# Altium PCB OnePiece_Board.PcbDoc (part 2 of 2)
Units mm, origin at the board's own origin, x right, y up, seen from the top; angles counter-clockwise.
Board outline 95.12 x 76.58 mm, 2 copper layers (Top Layer, Bottom Layer); 79 components, 112 nets, 380 pads, 690 vias.
Unrouted connection lines stored in the file: 1.
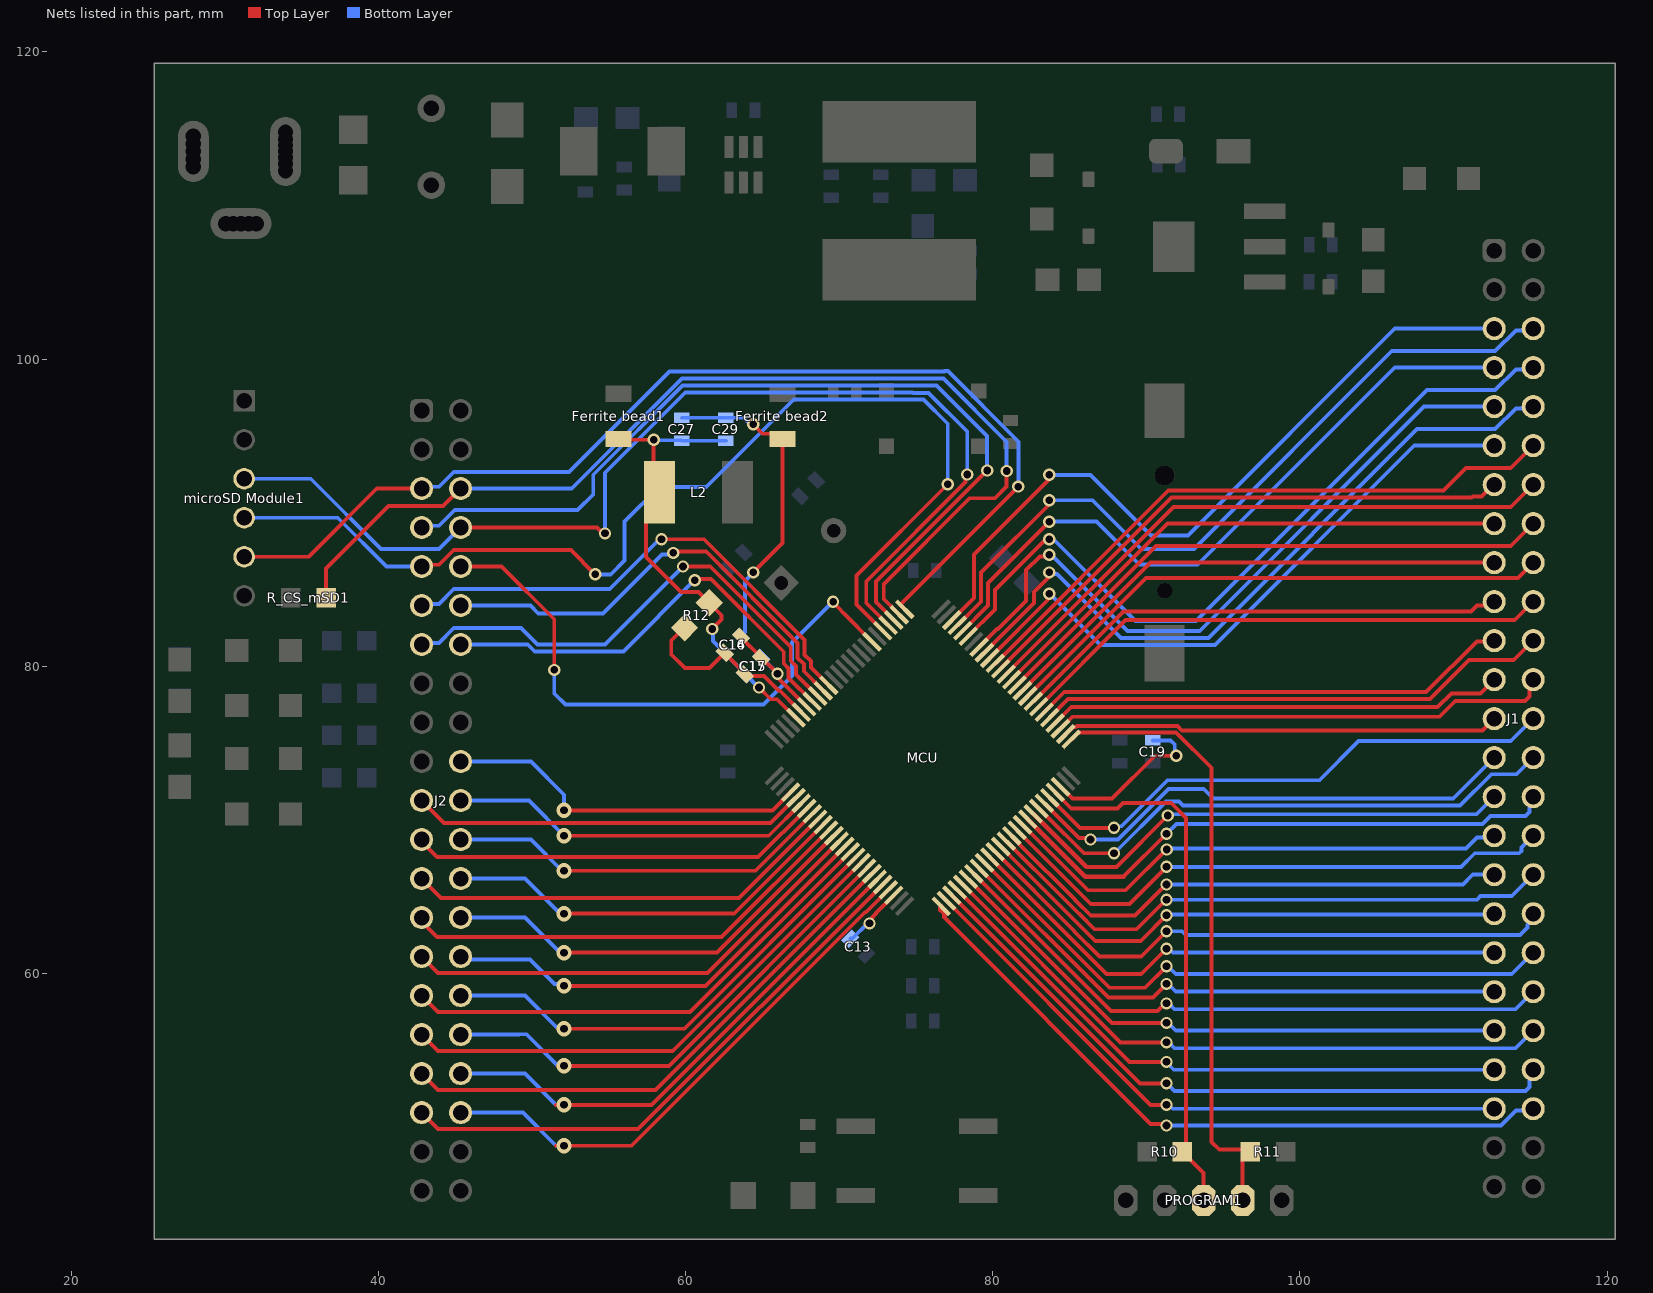
[diagram p2: the nets of this part, all layers, seen from the top]

## Via types
v1: diameter 0.5, hole 0.5, Top Layer to Bottom Layer, 582 vias
v2: diameter 0.8, hole 0.5, Top Layer to Bottom Layer, 76 vias
v3: diameter 1, hole 0.5, Top Layer to Bottom Layer, 19 vias
v4: diameter 1.27, hole 0.711, Top Layer to Bottom Layer, 12 vias
v5: diameter 1.7, hole 1.2, Top Layer to Bottom Layer, 1 vias

## Nets (pads, with @x,y where several pads share a name; then routed paths per layer and width w, separated by ;. In a path a pad name is that pad's centre, name@x,y a point inside that pad or via, vN(x,y) a via of type N, cw(c..) or ccw(c..) an arc to the next point about the centre after c; other vN are vias at no path point) (continued)
PA5: J2.20 MCU.29 | length 23.9
  Top Layer w0.254: v3(52.07,70.612) 65.645,70.612 MCU.29@66.825,71.792
  Bottom Layer w0.254: J2.20@45.339,73.787 49.911,73.787 52.07,71.628 v3(52.07,70.612)
PA6: J2.21 MCU.30 | length 25.7
  Top Layer w0.254: J2.21@42.799,71.247 44.261,69.785 65.525,69.785 MCU.30@67.179,71.439
PA7: J2.22 MCU.31 | length 24
  Top Layer w0.254: v3(52.07,68.958) 65.405,68.958 MCU.31@67.533,71.085
  Bottom Layer w0.254: J2.22@45.339,71.247 49.781,71.247 v3(52.07,68.958)
PA8: J1.30 MCU.67 | length 37.1
  Top Layer w0.254: 88.519,66.294 v2(91.313,69.088)
  Top Layer w0.3: MCU.67@82.283,70.025 86.013,66.294 88.519,66.294
  Bottom Layer w0.254: v2(91.313,69.088) 91.948,69.723 111.888,69.723 112.396,70.231 114.681,70.231 114.951,70.501 114.951,71.263 J1.30@115.189,71.501
PA9: J1.29 MCU.68 | length 33.3
  Top Layer w0.254: 86.086,66.929 88.042,66.929 v2(91.392,70.279)
  Top Layer w0.3: MCU.68@82.636,70.378 86.086,66.929
  Bottom Layer w0.254: v2(91.392,70.279) 91.471,70.358 111.506,70.358 J1.29@112.649,71.501
PA10: J1.28 MCU.69 | length 36.2
  Top Layer w0.254: MCU.69@82.99,70.732 83.008,70.732 83.528,70.212 83.538,70.212 85.932,67.818 v2(87.884,67.818)
  Bottom Layer w0.254: v2(87.884,67.818) 87.903,67.818 91.271,71.186 92.129,71.186 92.395,70.92 110.417,70.92 112.461,72.964 114.112,72.964 J1.28@115.189,74.041
PA11: J1.27 MCU.70 | length 33
  Top Layer w0.254: MCU.70@83.343,71.085 85.617,68.811 86.256,68.811 v2(86.36,68.707)
  Bottom Layer w0.254: v2(86.36,68.707) 88.15,68.707 91.446,72.003 93.732,72.003 94.361,71.374 109.982,71.374 J1.27@112.649,74.041
PA12: J1.26 MCU.71 | length 35.3
  Top Layer w0.254: MCU.71@83.697,71.439 85.667,69.469 v2(87.884,69.469)
  Bottom Layer w0.254: v2(87.884,69.469) 87.988,69.573 88.375,69.573 91.372,72.571 101.276,72.571 103.823,75.118 113.726,75.118 J1.26@115.189,76.581
PA15: J1.25 MCU.77 | length 28.5
  Top Layer w0.254: MCU.77@84.758,75.582 85.21,76.035 85.398,76.035 85.466,76.102 92.017,76.102 92.301,75.819 111.887,75.819 J1.25@112.649,76.581
PB0: J2.25 MCU.34 | length 28.4
  Top Layer w0.254: J2.25@42.799,66.167 44.069,64.897 63.466,64.897 MCU.34@68.593,70.025
PB1: J2.26 MCU.35 | length 27
  Top Layer w0.254: v3@51.816,63.881 63.157,63.881 MCU.35@68.947,69.671
  Bottom Layer w0.254: J2.26@45.339,66.167 49.53,66.167 v3@51.816,63.881
  other v3: 52.07,63.881
PB2: J2.27 MCU.36 | length 30.1
  Top Layer w0.254: J2.27@42.799,63.627 42.799,63.373 43.815,62.357 62.34,62.357 MCU.36@69.3,69.318
PB3: J1.13 MCU.89 | length 37.1
  Top Layer w0.254: MCU.89@80.522,79.879 91.627,90.983 111.176,90.983 111.252,91.059 111.812,91.059 112.574,91.821 J1.13@112.649,91.821
PB4: J1.12 MCU.90 | length 40.9
  Top Layer w0.254: MCU.90@80.161,80.179 91.42,91.437 109.344,91.437 110.805,92.898 113.726,92.898 J1.12@115.189,94.361
PB5: J1.11 MCU.91 | length 41.5
  Top Layer w0.254: MCU.91@79.808,80.532 83.574,84.298 83.574,84.619 v2(83.678,84.724)
  Bottom Layer w0.254: v2(83.678,84.724) 87.014,81.388 94.469,81.388 107.442,94.361 J1.11@112.649,94.361
PB6: J1.10 MCU.92 | length 46.5
  Top Layer w0.254: MCU.92@79.454,80.886 82.677,84.108 82.677,84.836 83.589,85.748 83.589,86.002 v2@83.693,86.106
  Bottom Layer w0.254: v2@83.693,86.106 83.797,86.002 84.178,86.002 88.338,81.842 94.034,81.842 107.63,95.438 112.709,95.438 114.058,96.787 115.075,96.787 J1.10@115.189,96.901
  other v2: 83.678,86.106
PB7: J1.9 MCU.93 | length 45.3
  Top Layer w0.254: MCU.93@79.101,81.239 80.283,82.421 80.348,82.421 82.169,84.242 82.169,86.254 83.06,87.145 83.716,87.145 v2@83.82,87.249
  Bottom Layer w0.254: v2@83.82,87.249 88.773,82.296 93.472,82.296 108.077,96.901 J1.9@112.649,96.901
  other v2: 83.678,87.249
PB8: J1.8 MCU.95 | length 49.2
  Top Layer w0.254: MCU.95@78.394,81.946 80.137,83.69 80.137,84.963 83.395,88.221 83.903,88.221 v2@83.947,88.265
  Bottom Layer w0.254: v2@83.947,88.265 89.281,82.931 93.218,82.931 108.265,97.978 112.709,97.978 114.058,99.327 115.075,99.327 J1.8@115.189,99.441
  other v2: 83.678,88.265
PB9: J1.7 MCU.96 | length 44.6
  Top Layer w0.254: MCU.96@78.04,82.3 79.683,83.943 79.683,85.413 v2(83.678,89.408)
  Bottom Layer w0.254: v2@83.947,89.408 86.741,89.408 89.535,86.614 93.345,86.614 106.172,99.441 J1.7@112.649,99.441
PB10: J2.37 MCU.46 | length 37.1
  Top Layer w0.254: J2.37@42.799,50.927 43.876,49.85 56.904,49.85 MCU.46@72.836,65.782
PB11: J2.38 MCU.47 | length 35.6
  Top Layer w0.254: 51.562,48.768 56.464,48.768 71.671,63.975 71.736,63.975 MCU.47@73.189,65.428
  Bottom Layer w0.254: J2.38@45.339,50.927 49.403,50.927 51.562,48.768
  other v3: 52.07,48.768
PB12: J1.46 MCU.51 | length 45.4
  Top Layer w0.254: 76.592,64.124 76.927,63.789 ; 76.832,63.848 76.809,63.825 76.809,63.653 90.265,50.197 91.188,50.197 v2@91.292,50.092
  Top Layer w0.3: 76.592,64.124 76.581,64.135 76.581,64.304 76.628,64.351 76.628,64.365 MCU.51@76.626,64.368
  Bottom Layer w0.254: v2@91.292,50.092 113.084,50.092 114.058,51.067 115.075,51.067 J1.46@115.189,51.181
  other v2: 91.313,50.092
PB13: J1.45 MCU.52 | length 41.3
  Top Layer w0.254: MCU.52@76.979,64.721 90.266,51.435 v2(91.313,51.435)
  Bottom Layer w0.254: v2(91.313,51.435) 91.461,51.435 91.715,51.181 J1.45@112.649,51.181
PB14: J1.44 MCU.53 | length 44.2
  Top Layer w0.254: MCU.53@77.333,65.075 89.576,52.832 v2(91.313,52.832)
  Bottom Layer w0.254: v2(91.313,52.832) 91.821,52.324 114.681,52.324 114.951,52.594 114.951,53.483 J1.44@115.189,53.721
PB15: J1.43 MCU.54 | length 39.8
  Top Layer w0.254: MCU.54@77.687,65.428 88.886,54.229 v2@91.186,54.229
  Bottom Layer w0.254: v2@91.186,54.229 91.274,54.229 91.782,53.721 J1.43@112.649,53.721
  other v2: 91.313,54.229
PC0: J2.11 MCU.15 | length 33
  Top Layer w0.254: v2(58.42,88.265) 61.183,88.265 67.744,81.703 67.744,80.725 68.145,80.324 68.145,79.92 MCU.15@69.3,78.764
  Bottom Layer w0.254: J2.11@42.799,83.947 42.913,84.061 43.93,84.061 44.893,85.024 55.052,85.024 58.293,88.265 v2(58.42,88.265)
PC1: J2.12 MCU.16 | length 30.1
  Top Layer w0.254: v2(59.182,87.376) 59.274,87.468 61.338,87.468 67.29,81.515 67.29,80.537 67.691,80.136 67.691,79.667 MCU.16@68.947,78.411
  Bottom Layer w0.254: J2.12@45.339,83.947 49.889,83.947 50.397,83.439 54.61,83.439 58.443,87.272 59.078,87.272 v2(59.182,87.376)
PC2: J2.13 MCU.17 | length 33.1
  Top Layer w0.254: v2(59.817,86.487) 61.595,86.487 66.836,81.246 66.836,80.349 67.183,80.002 67.183,79.468 MCU.17@68.593,78.057
  Bottom Layer w0.254: J2.13@42.799,81.407 42.913,81.521 43.93,81.521 44.893,82.484 49.276,82.484 50.353,81.407 54.737,81.407 v2(59.817,86.487)
PC3: J2.14 MCU.18 | length 29.2
  Top Layer w0.254: v2(60.579,85.598) 60.662,85.681 61.639,85.681 61.975,85.345 66.382,80.938 66.382,80.161 66.703,79.84 66.703,79.24 MCU.18@68.24,77.704
  Bottom Layer w0.254: J2.14@45.339,81.407 49.711,81.407 50.165,80.953 55.934,80.953 v2(60.579,85.598)
PC4: J2.23 MCU.32 | length 26.9
  Top Layer w0.254: J2.23@42.799,68.707 42.799,68.58 43.815,67.564 64.718,67.564 MCU.32@67.886,70.732
PC5: J2.24 MCU.33 | length 25.3
  Top Layer w0.254: v3@51.943,66.675 64.536,66.675 MCU.33@68.24,70.378
  Bottom Layer w0.254: J2.24@45.339,68.707 49.911,68.707 v3@51.943,66.675
  other v3: 52.07,66.675
PC6: J1.34 MCU.63 | length 38.2
  Top Layer w0.254: MCU.63@80.869,68.61 84.693,64.786 85.625,63.854 85.632,63.854 86.621,62.865 89.364,62.865 91.285,64.786 v2(91.313,64.786)
  Bottom Layer w0.254: v2(91.313,64.786) 111.522,64.786 111.76,65.024 113.792,65.024 J1.34@115.189,66.421
PC7: J1.33 MCU.64 | length 34.7
  Top Layer w0.254: MCU.64@81.222,68.964 81.222,68.946 81.742,68.426 81.742,68.398 85.343,64.796 85.343,64.785 86.374,63.754 89.253,63.754 91.285,65.786 v2(91.313,65.786)
  Bottom Layer w0.254: v2(91.313,65.786) 110.617,65.786 111.252,66.421 J1.33@112.649,66.421
PC8: J1.32 MCU.65 | length 37.6
  Top Layer w0.254: MCU.65@81.576,69.318 86.377,64.516 88.9,64.516 v2(91.313,66.929)
  Bottom Layer w0.254: v2(91.313,66.929) 110.49,66.929 111.379,67.818 114.278,67.818 114.427,67.967 114.427,68.199 J1.32@115.189,68.961
PC9: J1.31 MCU.66 | length 34
  Top Layer w0.254: MCU.66@81.929,69.671 86.179,65.421 86.179,65.405 88.646,65.405 91.307,68.066 v2(91.319,68.066)
  Bottom Layer w0.254: v2(91.319,68.066) 91.389,68.135 110.807,68.135 111.518,68.846 112.534,68.846 J1.31@112.649,68.961
PC10: J1.24 MCU.78 | length 32.6
  Top Layer w0.254: MCU.78@84.404,75.936 85.176,76.708 109.093,76.708 110.109,77.724 114.659,77.724 114.951,78.015 114.951,78.883 J1.24@115.189,79.121
PC11: J1.23 MCU.79 | length 29.8
  Top Layer w0.254: MCU.79@84.051,76.29 85.104,77.343 108.966,77.343 109.855,78.232 111.76,78.232 J1.23@112.649,79.121
PC12: J1.22 MCU.80 | length 33.6
  Top Layer w0.254: MCU.80@83.697,76.643 84.905,77.851 108.458,77.851 110.998,80.391 113.919,80.391 J1.22@115.189,81.661
PC13: J2.10 MCU.7 | length 38.5
  Top Layer w0.254: J2.10@45.339,86.487 48.006,86.487 51.435,83.058 v2(51.435,79.756) ; v2(69.596,84.201) 70.303,83.418 MCU.7@72.129,81.593
  Bottom Layer w0.254: v2(51.435,79.756) 51.435,78.232 52.162,77.505 65.065,77.505 66.932,79.372 66.932,81.537 v2(69.596,84.201)
PD0: J1.21 MCU.81 | length 31.2
  Top Layer w0.254: MCU.81@83.343,76.997 84.652,78.305 108.204,78.305 111.518,81.619 112.607,81.619 J1.21@112.649,81.661
PD1: J1.20 MCU.82 | length 35
  Top Layer w0.254: MCU.82@82.99,77.35 88.641,83.001 113.989,83.001 J1.20@115.189,84.201
PD2: J1.19 MCU.83 | length 32.7
  Top Layer w0.254: MCU.83@82.636,77.704 88.499,83.566 111.125,83.566 111.522,83.963 112.411,83.963 J1.19@112.649,84.201
PD3: J1.18 MCU.84 | length 36.5
  Top Layer w0.254: MCU.84@82.283,78.057 89.967,85.741 114.189,85.741 J1.18@115.189,86.741
PD4: J1.17 MCU.85 | length 34.2
  Top Layer w0.254: MCU.85@81.929,78.411 90.259,86.741 J1.17@112.649,86.741
PD5: J1.16 MCU.86 | length 38
  Top Layer w0.254: MCU.86@81.576,78.764 90.629,87.818 113.726,87.818 J1.16@115.189,89.281
PD6: J1.15 MCU.87 | length 35.6
  Top Layer w0.254: MCU.87@81.222,79.118 91.385,89.281 J1.15@112.649,89.281
PD7: J1.14 MCU.88 | length 39.4
  Top Layer w0.254: MCU.88@80.869,79.472 91.755,90.358 113.726,90.358 J1.14@115.189,91.821
PD8: J1.42 MCU.55 | length 42
  Top Layer w0.254: MCU.55@78.04,65.782 88.323,55.499 v2@91.186,55.499
  Bottom Layer w0.254: v2@91.186,55.499 v2(91.313,55.499) 91.461,55.499 91.842,55.118 114.046,55.118 J1.42@115.189,56.261
PD9: J1.41 MCU.56 | length 38.3
  Top Layer w0.254: MCU.56@78.394,66.136 87.76,56.769 v2(91.313,56.769)
  Bottom Layer w0.254: v2(91.313,56.769) 91.401,56.769 91.909,56.261 J1.41@112.649,56.261
PD10: J1.40 MCU.57 | length 41
  Top Layer w0.254: MCU.57@78.747,66.489 87.705,57.531 90.717,57.531 91.225,58.039 v2(91.313,58.039)
  Bottom Layer w0.254: v2(91.313,58.039) 91.461,58.039 91.842,57.658 114.046,57.658 J1.40@115.189,58.801
PD11: J1.39 MCU.58 | length 37.6
  Top Layer w0.254: MCU.58@79.101,66.843 87.523,58.42 90.424,58.42 v2(91.313,59.309)
  Bottom Layer w0.254: v2(91.313,59.309) 91.401,59.309 91.909,58.801 J1.39@112.649,58.801
PD12: J1.38 MCU.59 | length 40.5
  Top Layer w0.254: MCU.59@79.454,67.196 87.596,59.055 89.916,59.055 v2(91.313,60.452)
  Bottom Layer w0.254: v2(91.313,60.452) 91.401,60.452 91.909,59.944 113.792,59.944 J1.38@115.189,61.341
PD13: J1.37 MCU.60 | length 36.8
  Top Layer w0.254: MCU.60@79.808,67.55 87.414,59.944 89.662,59.944 v2(91.313,61.595)
  Bottom Layer w0.254: v2(91.313,61.595) 91.461,61.595 91.715,61.341 J1.37@112.649,61.341
PD14: J1.36 MCU.61 | length 39.5
  Top Layer w0.254: MCU.61@80.161,67.903 85.327,62.738 85.327,62.705 86.945,61.087 89.662,61.087 v2(91.313,62.738)
  Bottom Layer w0.254: v2(91.313,62.738) 92.329,62.738 92.583,62.484 92.605,62.506 114.322,62.506 114.808,62.992 114.808,63.163 115.189,63.544 J1.36@115.189,63.881
PD15: J1.35 MCU.62 | length 35.4
  Top Layer w0.254: MCU.62@80.515,68.257 86.669,62.103 89.63,62.103 v2(91.313,63.786)
  Bottom Layer w0.254: v2(91.313,63.786) 91.361,63.833 112.601,63.833 J1.35@112.649,63.881
PE0: J1.6 MCU.97 | length 49.2
  Top Layer w0.254: MCU.97@77.687,82.654 79.229,84.196 79.229,86.087 v2@83.947,90.805
  Bottom Layer w0.254: v2@83.947,90.805 86.487,90.805 89.662,87.63 93.091,87.63 105.979,100.518 112.709,100.518 114.058,101.867 115.075,101.867 J1.6@115.189,101.981
  other v2: 83.678,90.805
PE1: J1.5 MCU.98 | length 48.1
  Top Layer w0.254: MCU.98@77.333,83.007 78.775,84.449 78.775,87.284 v2@83.947,92.456
  Bottom Layer w0.254: v2@83.947,92.456 86.36,92.456 90.297,88.519 92.71,88.519 106.172,101.981 J1.5@112.649,101.981
  other v2: 83.678,92.456
PE2: "microSD Module1.5" J2.5 MCU.1 | length 71.5
  Top Layer w0.254: 31.242,87.122 35.433,87.122 39.878,91.567 J2.5@42.799,91.567 ; MCU.1@74.25,83.714 73.975,83.989 73.975,84.008 v2(81.661,91.694)
  Bottom Layer w0.254: J2.5@42.799,91.567 42.913,91.681 43.93,91.681 44.893,92.644 52.385,92.644 58.931,99.19 76.838,99.19 76.857,99.209 77.067,99.209 81.661,94.615 v2(81.661,91.694)
PE3: J2.6 MCU.2 R_CS_mSD1.1 | length 69
  Top Layer w0.254: R_CS_mSD1.1@36.576,84.455 36.576,86.36 40.64,90.424 44.196,90.424 J2.6@45.339,91.567 ; MCU.2@73.897,83.361 72.898,84.359 72.898,85.344 78.486,90.932 80.137,90.932 80.899,91.694 v2(80.899,92.71)
  Bottom Layer w0.254: J2.6@45.339,91.567 52.578,91.567 59.747,98.736 76.778,98.736 80.899,94.615 v2(80.899,92.71)
PE4: J2.7 MCU.3 | length 58.2
  Top Layer w0.254: MCU.3@73.543,83.007 73.543,83.026 72.39,84.178 72.39,85.506 v2(79.629,92.745)
  Bottom Layer w0.254: J2.7@42.799,89.027 42.913,89.141 43.93,89.141 44.959,90.17 52.959,90.17 53.975,91.186 53.975,92.463 59.794,98.282 76.343,98.282 79.629,94.996 v2(79.629,92.745)
PE5: "microSD Module1.3" J2.8 MCU.4 | length 72.8
  Top Layer w0.254: J2.8@45.339,89.027 54.208,89.027 54.589,88.646 v2(54.737,88.646) ; MCU.4@73.189,82.654 73.189,82.672 71.755,84.106 71.755,85.513 78.231,91.989 78.231,92.364 v2@78.335,92.468
  Bottom Layer w0.254: 31.242,92.202 35.582,92.202 40.154,87.63 43.942,87.63 J2.8@45.339,89.027 ; v2(54.737,88.646) 54.737,92.595 59.97,97.828 74.784,97.828 74.822,97.79 75.819,97.79 78.335,95.274 v2(78.335,92.48)
PE6: "microSD Module1.4" J2.9 MCU.5 | length 71.8
  Top Layer w0.254: J2.9@42.799,86.487 42.913,86.601 43.93,86.601 44.893,87.564 52.517,87.564 v2(54.102,85.979) ; MCU.5@72.836,82.3 71.12,84.016 71.12,85.906 v2(77.062,91.848)
  Bottom Layer w0.254: 31.242,89.662 37.338,89.662 40.513,86.487 J2.9@42.799,86.487 ; v2(54.102,85.979) 55.118,85.979 56.007,86.868 56.007,89.408 58.275,91.676 61.336,91.676 67.033,97.374 75.473,97.374 77.062,95.785 v2(77.062,91.848)
PE7: J2.28 MCU.37 | length 28.4
  Top Layer w0.254: v3@51.816,61.341 62.031,61.341 MCU.37@69.654,68.964
  Bottom Layer w0.254: J2.28@45.339,63.627 49.53,63.627 v3@51.816,61.341
  other v3: 52.07,61.341
PE8: J2.29 MCU.38 | length 31.2
  Top Layer w0.254: J2.29@42.799,61.087 43.876,60.01 61.407,60.01 MCU.38@70.007,68.61
PE9: J2.30 MCU.39 | length 29.8
  Top Layer w0.254: v3@51.816,59.182 61.286,59.182 MCU.39@70.361,68.257
  Bottom Layer w0.254: J2.30@45.339,61.087 45.539,60.887 49.857,60.887 51.447,59.297 51.955,59.297 v3(52.07,59.182)
PE10: J2.31 MCU.40 | length 32.7
  Top Layer w0.254: J2.31@42.799,58.547 43.876,57.47 60.281,57.47 MCU.40@70.715,67.903
PE11: J2.32 MCU.41 | length 31.2
  Top Layer w0.254: v3@51.689,56.388 59.906,56.388 MCU.41@71.068,67.55
  Bottom Layer w0.254: J2.32@45.339,58.547 49.53,58.547 v3@51.689,56.388
  other v3: 52.07,56.388
PE12: J2.33 MCU.42 | length 34.1
  Top Layer w0.254: J2.33@42.799,56.007 43.876,54.93 59.155,54.93 MCU.42@71.422,67.196
PE13: J2.34 MCU.43 | length 32.6
  Top Layer w0.254: v3@51.689,53.975 58.908,53.975 MCU.43@71.775,66.843
  Bottom Layer w0.254: J2.34@45.339,56.007 49.149,56.007 49.171,56.029 49.635,56.029 v3@51.689,53.975
  other v3: 52.07,53.975
PE14: J2.35 MCU.44 | length 35.6
  Top Layer w0.254: J2.35@42.799,53.467 43.876,52.39 58.03,52.39 MCU.44@72.129,66.489
PE15: J2.36 MCU.45 | length 34.1
  Top Layer w0.254: 51.562,51.435 57.782,51.435 MCU.45@72.482,66.136
  Bottom Layer w0.254: J2.36@45.339,53.467 49.53,53.467 51.562,51.435
  other v3: 52.07,51.435
SWCLK: MCU.76 PROGRAM1.2 R11.1 | length 40.8
  Top Layer w0.254: MCU.76@85.111,75.229 85.564,75.681 91.937,75.681 94.234,73.385 94.234,49.022 94.742,48.514 96.647,48.514 R11.1@96.774,48.387 96.266,47.879 PROGRAM1.2@96.266,45.212
SWDIO: MCU.72 PROGRAM1.3 R10.1 | length 35.1
  Top Layer w0.254: MCU.72@84.051,71.792 85.104,70.739 88.126,70.739 88.472,71.085 91.614,71.085 92.583,70.116 92.583,48.641 R10.1@92.329,48.387 93.726,46.99 PROGRAM1.3@93.726,45.212
VCAP1: C13.1 MCU.48 | length 4.1
  Top Layer w0.254: v2(71.973,63.248) 71.973,63.396 72.163,63.587 72.163,63.654 72.39,63.881 72.39,63.922 MCU.48@73.543,65.075
  Bottom Layer w0.254: C13.1@70.717,62.252 70.847,62.252 71.843,63.248 v2(71.973,63.248)
VCAP2: C19.1 MCU.73 | length 11.3
  Top Layer w0.254: MCU.73@84.404,72.146 85.176,71.374 87.757,71.374 90.551,74.168 v2(91.948,74.168)
  Bottom Layer w0.254: C19.1@90.424,75.172 91.579,75.172 91.844,74.907 91.844,74.272 v2(91.948,74.168)
VDDA: "Ferrite bead1.2" C14.1 C15.1 C27.1 C29.1 L2.2 MCU.21 R12.2 | length 31.3
  Top Layer w0.254: 55.626,94.791 55.675,94.742 v2(57.912,94.742) 57.912,91.313 L2.2@58.102,91.123 ; L2.2@58.293,91.313 L2.2@58.102,91.123 ; v2(61.722,82.423) 62.341,83.042 62.341,83.317 R12.2@61.538,84.12 60.822,84.836 59.69,84.836 57.404,87.122 57.404,90.424 L2.2@58.102,91.123 ; v2(64.77,78.613) 65.535,77.848 65.956,77.848 67.161,76.643 MCU.21@67.179,76.643
  Bottom Layer w0.254: v2(57.912,94.742) 57.943,94.711 59.712,94.711 C27.1@59.743,94.68 C29.1@62.611,94.68 ; v2(61.722,82.423) 61.77,82.375 61.77,81.642 C14.1@62.535,80.877 62.535,80.84 63.859,79.516 C15.1@63.859,79.48 63.881,79.48 64.748,78.613 v2(64.77,78.613)
VREF+: C16.1 C17.1 MCU.20 R12.1 | length 12.6
  Top Layer w0.254: R12.1@59.922,82.504 59.898,82.504 59.055,81.661 59.055,80.772 59.944,79.883 61.552,79.883 C16.1@62.514,80.844 ; C16.1@62.546,80.877 C16.1@62.514,80.844 ; MCU.20@67.279,77.251 66.124,78.405 66.053,78.405 65.107,79.351 64.007,79.351 C16.1@62.514,80.844
VSSA: "Ferrite bead2.2" C14.2 C15.2 C16.2 C17.2 C27.2 C29.2 MCU.19 | length 29.2
  Top Layer w0.254: C16.2@63.607,81.873 64.897,80.582 C17.2@64.897,80.518 64.968,80.518 v2(65.976,79.51) 66.081,79.405 66.081,79.155 MCU.19@67.886,77.35 ; C16.2@63.861,81.619 C16.2@63.861,81.683 ; v2(64.389,86.106) 66.294,88.011 66.294,94.791 65.95,95.135 65.012,95.135 v2(64.389,95.758)
  Bottom Layer w0.254: C27.2@59.743,96.18 C29.2@62.611,96.18 63.765,96.18 64.187,95.758 v2(64.389,95.758) ; C14.2@63.85,81.683 63.744,81.789 63.744,82.105 63.85,82.211 63.85,85.541 64.389,86.08 v2(64.389,86.106) ; C15.2@64.919,80.54 64.968,80.54 v2@65.988,79.521
pads on no net: BT1. BZT1.0 BZT2.0 Y2.1 Y2.3
copper on no net:
  other v1: 101.397,45.96 102.362,45.96 103.378,45.96 104.318,46.087 105.283,46.087 106.299,46.087 101.397,46.792 102.362,46.792 103.378,46.792 104.318,46.919 105.283,46.919 106.299,46.919 101.397,47.625 102.362,47.625 103.378,47.625 104.318,47.752 105.283,47.752 106.299,47.752 81.427,51.261 82.57,51.261 83.713,51.261 84.709,51.308 85.852,51.308 86.995,51.308 81.427,52.052 82.57,52.052 83.713,52.052 84.709,52.099 85.852,52.099 86.995,52.099 63.373,52.705 64.516,52.705 65.659,52.705 66.802,52.705 67.945,52.705 69.088,52.705 81.427,52.843 82.57,52.843 83.713,52.843 84.709,52.89 85.852,52.89 63.373,53.496 64.516,53.496 65.659,53.496 66.802,53.496 67.945,53.496 69.088,53.496 81.407,53.634 82.55,53.634 83.693,53.634 70.993,54.102 72.136,54.102 73.279,54.102 63.373,54.287 64.516,54.287 65.659,54.287 66.802,54.287 67.945,54.287 69.088,54.287 81.407,54.425 82.55,54.425 83.693,54.425 78.105,54.483 79.248,54.483 80.391,54.483 70.993,54.893 72.136,54.893 73.279,54.893 81.407,55.216 82.55,55.216 83.693,55.216 65.659,55.245 66.802,55.245 67.945,55.245 78.105,55.274 79.248,55.274 80.391,55.274 70.993,55.684 72.136,55.684 73.279,55.684 81.407,56.007 82.55,56.007 83.693,56.007 65.659,56.036 66.802,56.036 67.945,56.036 78.105,56.065 79.248,56.065 80.391,56.065 70.993,56.475 72.136,56.475 73.279,56.475 65.659,56.827 66.802,56.827 67.945,56.827 70.973,57.266 72.116,57.266 73.259,57.266 70.973,58.057 72.116,58.057 73.259,58.057 70.973,58.848 72.116,58.848 73.259,58.848 104.191,72.376 105.156,72.376 106.172,72.376 52.55,73.18 53.341,73.18 54.132,73.18 54.922,73.18 55.713,73.2 56.504,73.2 57.295,73.2 58.086,73.2 104.191,73.208 105.156,73.208 106.172,73.208 99.111,73.392 100.076,73.392 101.092,73.392 104.191,74.041 105.156,74.041 106.172,74.041 52.55,74.069 53.341,74.069 54.132,74.069 54.922,74.069 55.713,74.089 56.504,74.089 57.295,74.089 58.086,74.089 99.111,74.224 100.076,74.224 101.092,74.224 52.55,74.958 53.341,74.958 54.132,74.958 54.922,74.958 55.713,74.978 56.504,74.978 57.295,74.978 58.086,74.978 99.111,75.057 100.076,75.057 101.092,75.057 52.677,78.26 53.468,78.26 54.259,78.26 55.049,78.26 55.84,78.28 56.631,78.28 57.422,78.28 58.213,78.28 52.677,79.149 53.468,79.149 54.259,79.149 55.049,79.149 55.84,79.169 56.631,79.169 57.422,79.169 58.213,79.169 101.524,79.869 102.489,79.869 103.505,79.869 104.521,79.869 105.41,79.869 106.299,79.869 52.677,80.038 53.468,80.038 54.259,80.038 55.049,80.038 55.84,80.058 56.631,80.058 57.422,80.058 58.213,80.058 101.524,80.701 102.489,80.701 103.505,80.701 104.521,80.701 105.41,80.701 106.299,80.701 101.524,81.534 102.489,81.534 103.505,81.534 104.521,81.534 105.41,81.534 106.299,81.534 26.76,100.535 27.649,100.535 28.665,100.535 29.554,100.535 30.443,100.535 31.84,100.662 32.729,100.662 33.618,100.662 34.634,100.662 35.523,100.662 36.412,100.662 37.555,100.662 38.444,100.662 39.333,100.662 40.476,100.662 41.365,100.662 42.254,100.662 26.76,101.297 27.649,101.297 28.665,101.297 29.554,101.297 30.443,101.297 31.84,101.424 32.729,101.424 33.618,101.424 34.634,101.424 35.523,101.424 36.412,101.424 37.555,101.424 38.444,101.424 39.333,101.424 40.476,101.424 41.365,101.424 42.254,101.424 90.984,101.699 91.746,101.699 92.508,101.699 93.27,101.699 94.159,101.699 94.921,101.699 95.683,101.699 96.445,101.699 26.76,102.059 27.649,102.059 28.665,102.059 29.554,102.059 30.443,102.059 31.84,102.186 32.729,102.186 33.618,102.186 34.634,102.186 35.523,102.186 36.412,102.186 37.555,102.186 38.444,102.186 39.333,102.186 40.476,102.186 41.365,102.186 42.254,102.186 91.014,102.683 91.776,102.683 92.538,102.683 93.3,102.683 94.189,102.683 94.951,102.683 95.713,102.683 96.475,102.683 26.76,102.821 27.649,102.821 28.665,102.821 29.554,102.821 30.443,102.821 31.84,102.948 32.729,102.948 33.618,102.948 34.634,102.948 35.523,102.948 36.412,102.948 37.555,102.948 38.444,102.948 39.333,102.948 40.476,102.948 41.365,102.948 42.254,102.948 26.74,103.786 27.629,103.786 28.645,103.786 29.534,103.786 30.423,103.786 31.82,103.913 32.709,103.913 33.598,103.913 34.614,103.913 35.503,103.913 36.392,103.913 37.535,103.913 38.424,103.913 39.313,103.913 40.456,103.913 41.345,103.913 42.234,103.913 90.872,104.312 92.015,104.312 43.131,104.431 43.893,104.431 44.655,104.431 45.417,104.431 46.382,104.451 47.144,104.451 48.033,104.451 48.795,104.451 26.74,104.548 27.629,104.548 28.645,104.548 29.534,104.548 30.423,104.548 31.82,104.675 32.709,104.675 33.598,104.675 34.614,104.675 35.503,104.675 36.392,104.675 37.535,104.675 38.424,104.675 39.313,104.675 40.456,104.675 41.345,104.675 42.234,104.675 94.789,104.93 90.872,105.074 92.015,105.074 26.74,105.31 27.629,105.31 28.645,105.31 29.534,105.31 30.423,105.31 43.131,105.32 43.893,105.32 44.655,105.32 45.417,105.32 46.382,105.34 47.144,105.34 48.033,105.34 48.795,105.34 31.82,105.437 32.709,105.437 33.598,105.437 34.614,105.437 35.503,105.437 36.392,105.437 37.535,105.437 38.424,105.437 39.313,105.437 40.456,105.437 41.345,105.437 42.234,105.437 66.488,105.455 94.789,105.692 26.74,106.072 27.629,106.072 28.645,106.072 29.534,106.072 30.423,106.072 31.82,106.199 32.709,106.199 33.598,106.199 34.614,106.199 35.503,106.199 36.392,106.199 37.535,106.199 38.424,106.199 39.313,106.199 40.456,106.199 41.345,106.199 42.234,106.199 43.131,106.209 43.893,106.209 44.655,106.209 45.417,106.209 46.382,106.229 47.144,106.229 48.033,106.229 48.795,106.229 66.488,106.217 62.402,106.359 63.164,106.359 63.926,106.359 64.688,106.359 66.488,106.979 65.278,107.061 43.186,107.362 43.948,107.362 44.71,107.362 45.472,107.362 80.966,107.36 46.437,107.382 47.199,107.382 48.088,107.382 48.85,107.382 65.654,107.734 66.488,107.741 80.966,108.122 43.186,108.251 43.948,108.251 44.71,108.251 45.472,108.251 46.437,108.271 47.199,108.271 48.088,108.271 48.85,108.271 62.275,108.645 63.037,108.645 65.632,108.637 66.466,108.645 56.56,108.772 57.322,108.772 58.084,108.772 58.846,108.772 55.567,108.797 80.966,108.884 94.662,109.121 43.186,109.14 43.948,109.14 44.71,109.14 45.472,109.14 46.437,109.16 47.199,109.16 48.088,109.16 48.85,109.16 80.966,109.646 55.567,109.686 56.481,109.703 57.243,109.703 58.005,109.703 58.767,109.703 94.662,109.883 90.745,109.9 91.888,109.9 37.293,109.922 38.055,109.922 38.817,109.922 39.579,109.922 99.996,110.076 114.224,110.363 115.189,110.363 116.205,110.363 117.221,110.363 118.11,110.363 118.999,110.363 65.719,110.445 61.909,110.572 90.745,110.662 91.888,110.662 99.996,110.845 65.719,111.207 114.224,111.196 115.189,111.196 116.205,111.196 117.221,111.196 118.11,111.196 118.999,111.196 36.389,111.297 99.996,111.659 101.086,111.659 114.224,112.028 115.189,112.028 116.205,112.028 117.221,112.028 118.11,112.028 118.999,112.028 36.389,112.059 65.719,112.096 99.996,112.428 101.086,112.428 45.787,112.567 36.389,112.821 61.528,112.858 114.224,112.861 115.189,112.861 116.205,112.861 117.221,112.861 118.11,112.861 118.999,112.861 60.579,112.903 65.719,112.985 40.199,113.329 45.787,113.329 36.389,113.583 114.224,113.693 115.189,113.693 116.205,113.693 117.221,113.693 118.11,113.693 118.999,113.693 40.199,114.091 41.342,114.091 45.787,114.091 97.563,114.367 98.516,114.367 99.469,114.367 100.422,114.367 101.375,114.367 102.328,114.367 103.281,114.367 104.234,114.367 105.187,114.367 106.14,114.427 107.093,114.427 108.046,114.427 109,114.427 109.953,114.427 110.906,114.427 111.859,114.427 114.224,114.526 115.189,114.526 116.205,114.526 117.221,114.526 118.11,114.526 118.999,114.526 65.719,114.681 40.199,114.853 41.342,114.853 45.787,114.853 62.821,115.012 64.726,115.012 114.224,115.358 115.189,115.358 116.205,115.358 117.221,115.358 118.11,115.358 118.999,115.358 106.14,115.392 107.093,115.392 108.046,115.392 109,115.392 109.953,115.392 110.906,115.392 97.563,115.424 98.516,115.424 99.469,115.424 100.422,115.424 101.375,115.424 102.328,115.424 103.281,115.424 104.234,115.424 105.187,115.411 40.199,115.615 41.342,115.615 65.719,115.616 114.224,116.191 115.189,116.191 116.205,116.191 117.221,116.191 118.11,116.191 118.999,116.191 41.342,116.377 80.799,116.399 81.569,116.399 82.338,116.399 83.108,116.399 83.878,116.399 84.648,116.399 85.418,116.399 86.188,116.399 114.224,117.023 115.189,117.023 116.205,117.023 117.221,117.023 118.11,117.023 118.999,117.023 39.071,117.415 39.833,117.415 40.595,117.415 41.357,117.415 80.799,117.456 81.569,117.456 82.338,117.456 83.108,117.456 83.878,117.456 84.648,117.456 85.418,117.456 86.188,117.456 114.224,117.856 115.189,117.856 116.205,117.856 117.221,117.856 118.11,117.856 118.999,117.856

## Polygon pours and split planes (outlines as drawn)
GND on Top Layer "GND_L01_P000" (solid, remove dead copper, pour order 0): 25.4,42.672 25.4,119.253 120.523,119.253 120.523,42.672
GND on Bottom Layer "GND_L02_P001" (solid, remove dead copper, pour order 1): 25.4,42.672 25.4,119.253 120.523,119.253 120.523,42.672

## Keep-outs
Keep-Out Layer:
  the board outline again, w0.254

## Other copper
Top Layer:
  rectangle net 5_SW: 111.76,106.045 113.538,108.839
  rectangle net VDDA: 57.15,88.773 57.912,89.408
  region net PB12: 77.054,63.211 77.47,63.627 76.581,64.516 76.165,64.1
  rectangle net GND: 71.755,70.612 78.74,77.978
Bottom Layer:
  rectangle net GND: 75.819,86.487 76.835,87.249
  rectangle net 3V3: 74.549,55.204 74.803,55.626
  region net 3V3: 75.905,53.975 75.905,53.721 76.327,53.721 76.327,53.975
  region net 3V3: 74.635,55.245 74.635,54.926 75.057,54.926 75.057,55.245
  region net 3V3: 74.762,54.637 74.762,54.164 75.521,54.164 75.521,54.637
  region net 3V3: 74.679,54.991 74.679,54.519 75.438,54.519 75.438,54.991
  region net 3V3: 74.803,54.737 74.803,54.229 75.692,54.229 75.692,54.737
  region net 3V3: 76.073,53.721 76.073,54.356 74.549,54.356 74.549,53.721

## Silkscreen, mask and mechanical layers (free items; w line width, h text height)
Top Overlay:
  drawing of 4 lines, arcs and shapes, not listed
  text "5V" at 107.681,106.489 h1
  text "GND" at 117.665,106.489 h1
  text "3V3" at 107.681,103.927 h1
  text "GND" at 117.714,103.919 h1
  text "PE01" at 107.681,101.358 h1
  text "PE00" at 117.714,101.349 h1
  text "PB09" at 107.681,98.788 h1
  text "PB08" at 117.714,98.781 h1
  text "PB07" at 107.681,96.218 h1
  text "PB06" at 117.714,96.212 h1
  text "5V" at 38.085,95.567 h1
  text "GND" at 48.118,95.567 h1
  text "PB05" at 107.681,93.649 h1
  text "PB04" at 117.714,93.642 h1
  text "GND" at 48.118,93.345 h1
  text "3V3" at 38.085,93.039 h1
  text "PB03" at 107.681,91.081 h1
  text "PD07" at 117.714,91.073 h1
  text "PE03" at 48.118,90.614 h1
  text "PE02" at 38.085,90.504 h1
  text "PD06" at 107.681,88.512 h1
  text "PD05" at 117.714,88.505 h1
  text "PE05" at 48.118,88.201 h1
  text "PE04" at 38.085,87.969 h1
  text "PD04" at 107.681,85.944 h1
  text "PD03" at 117.714,85.936 h1
  text "PC13" at 48.118,85.661 h1
  text "PE06" at 38.085,85.435 h1
  text "PD02" at 107.681,83.374 h1
  text "PD01" at 117.714,83.365 h1
  text "PC01" at 48.118,83.121 h1
  text "PC00" at 38.085,82.9 h1
  text "PD00" at 107.681,80.805 h1
  text "PC12" at 117.714,80.795 h1
  text "PC03" at 48.118,80.709 h1
  text "PE05" at 38.085,80.366 h1
  text "PC11" at 107.681,78.237 h1
  text "PC10" at 117.714,78.226 h1
  text "PA01" at 48.118,77.915 h1
  text "PA00" at 38.085,77.831 h1
  text "PA15" at 107.681,75.668 h1
  text "PA12" at 117.714,75.657 h1
  text "PA03" at 48.118,75.629 h1
  text "PA02" at 38.085,75.297 h1
  text "PA05" at 48.118,73.088 h1
  text "PA11" at 107.681,73.1 h1
  text "PA10" at 117.714,73.089 h1
  text "PA04" at 38.085,72.762 h1
  text "PA07" at 48.118,70.549 h1
  text "PA09" at 107.681,70.532 h1
  text "PA08" at 117.714,70.521 h1
  text "PA06" at 38.085,70.228 h1
  text "PC05" at 48.118,68.135 h1
  text "PC09" at 107.681,67.962 h1
  text "PC08" at 117.714,67.952 h1
  text "PC04" at 38.085,67.693 h1
  text "PC07" at 107.681,65.393 h1
  text "PC06" at 117.714,65.383 h1
  text "PB00" at 38.085,65.159 h1
  text "PB01" at 48.118,65.126 h1
  text "PD15" at 107.681,62.824 h1
  text "PD14" at 117.714,62.815 h1
  text "PE07" at 48.118,62.713 h1
  text "PB02" at 38.085,62.624 h1
  text "PD13" at 107.681,60.256 h1
  text "PD12" at 117.714,60.247 h1
  text "PE08" at 38.085,60.09 h1
  text "PE09" at 48.118,59.919 h1
  text "PD11" at 107.681,57.688 h1
  text "PD10" at 117.714,57.691 h1
  text "PE11" at 48.118,57.633 h1
  text "PE10" at 38.085,57.555 h1
  text "PD08" at 117.714,55.134 h1
  text "PD09" at 107.681,55.126 h1
  text "PE13" at 48.118,55.093 h1
  text "PE12" at 38.085,55.021 h1
  text "v1" at 35.56,53.848 h2
  text "OnePiece" at 26.67,53.746 h3
  text "PB15" at 107.681,52.576 h1
  text "PB14" at 117.714,52.572 h1
  text "PE15" at 48.118,52.553 h1
  text "PE14" at 38.085,52.486 h1
  text "Arshia          Madadi" at 26.924,51.958 h2
  text "PB11" at 48.118,50.14 h1
  text "2024   -    10    -    27" at 26.926,50.053 h2
  text "PB13" at 107.681,50.019 h1
  text "PB12" at 117.714,50.022 h1
  text "PB10" at 38.085,49.952 h1
  text "GND" at 117.714,47.465 h1
  text "GND" at 48.118,47.434 h1
  text "5V" at 107.681,47.457 h1
  text "5V" at 38.085,47.423 h1
  text "3V3" at 38.085,44.895 h1
  text "GND" at 48.118,44.895 h1
  text "3V3" at 107.681,44.895 h1
  text "GND" at 117.714,44.895 h1

## Dimensions
120.523,119.253 to 112.649,42.672 on Mechanical 15
25.449,119.304 to 120.523,119.253 on Mechanical 15

## Text inside footprints (layer, text, board x,y; h text height)
BT1: Top Overlay "+" at 91.948,99.463 h1.78 r90; Top Overlay "-" at 91.821,76.73 h1.78 r90; Mechanical 13 "+" at 91.948,99.463 h1.78 r90; Mechanical 13 "-" at 91.821,76.73 h1.78 r90